# Altium PCB miniBackplane.PcbDoc (part 8 of 24)
Units mil, origin at the board's own origin, x right, y up, seen from the top; angles counter-clockwise.
Board outline 17285.63 x 8582.68 mil, 6 copper layers (Top Layer, Mid-Layer 1, GND, PWR, Mid-Layer 2, Bottom Layer), stack 62.362 mil thick; 519 components, 474 nets, 2434 pads, 1493 vias.
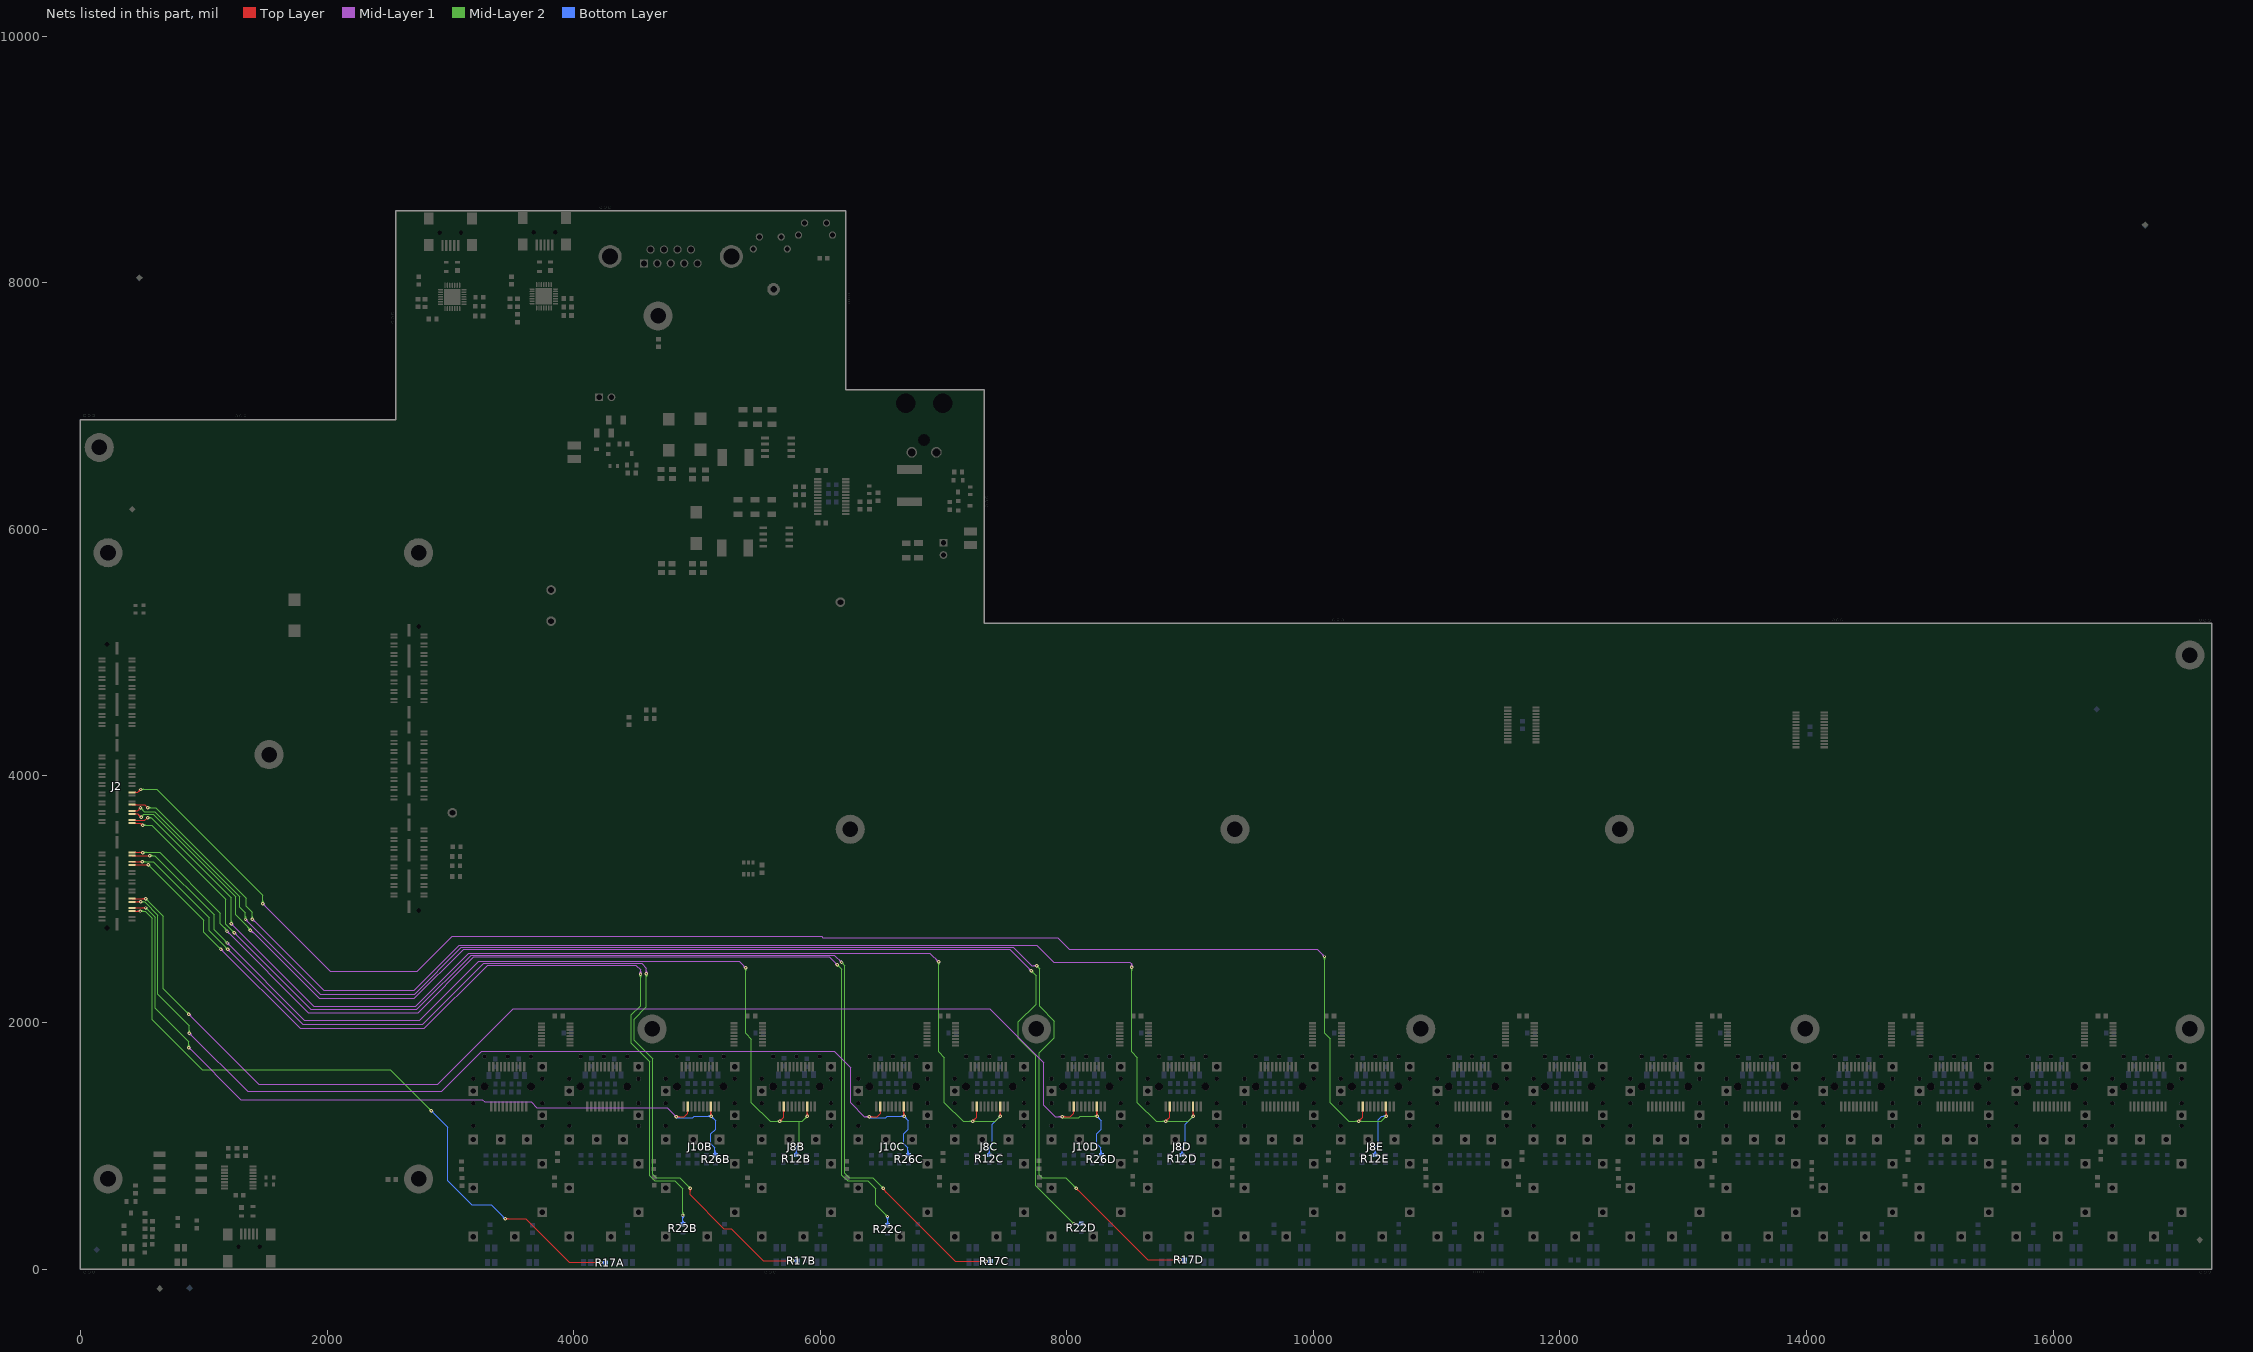
[diagram p12: the nets of this part, all layers, seen from the top]

## Via types
v1: diameter 27.56, hole 11.81, Top Layer to Bottom Layer, tented both sides, 1347 vias
v2: diameter 23.62, hole 11.81, Top Layer to Bottom Layer, tented both sides, 146 vias

## Nets (pads, with @x,y where several pads share a name; then routed paths per layer and width w, separated by ;. In a path a pad name is that pad's centre, name@x,y a point inside that pad or via, vN(x,y) a via of type N, cw(c..) or ccw(c..) an arc to the next point about the centre after c; other vN are vias at no path point) (continued)
FPGA_GPIO19: J2.48 J8E.2 J8E.8 R12E.1 | length 14057.8
  Top Layer w7.87: J2.48@417.94,3866.29 465.29,3866.29 v1(489,3890) v1@491,3890 ; 473.52,3876.01 ccw(c468.66,3894.17) v1@487.07,3890.39 ; 475.01,3874.52 cw(c493.17,3869.66) v1@489.39,3888.07 ; v1@10366.79,1201.61 ccw(c10363.02,1220.02) 10381.17,1215.15 ; v1(10367.18,1199.68) 10400.16,1232.65 J8E.2@10400.16,1320.05 ; v1@10369.11,1199.28 cw(c10387.52,1195.51) 10382.66,1213.67 ; v1(10591.13,1238.62) J8E.8@10591.13,1318.06 ; 448.12,3866.29 ccw(c448.12,3856.79) 441.39,3863.51 cw(c448.12,3856.79) 448.12,3866.29 ; 448.12,3866.29 cw(c448.12,3875.8) 441.39,3869.08 ccw(c448.12,3875.8) 448.12,3866.29 ; 472.2,3873.2 ccw(c455.4,3890) 479.16,3890 cw(c455.4,3890) 472.2,3873.2 ; 472.2,3873.2 cw(c489,3856.4) 489,3880.16 ccw(c489,3856.4) 472.2,3873.2 ; 10383.98,1216.48 ccw(c10400.79,1199.68) 10377.02,1199.68 cw(c10400.79,1199.68) 10383.98,1216.48 ; 10383.98,1216.48 cw(c10367.18,1233.28) 10367.18,1209.52 ccw(c10367.18,1233.28) 10383.98,1216.48 ; 10400.16,1274.6 ccw(c10385.9,1274.6) 10395.98,1284.68 cw(c10385.9,1274.6) 10400.16,1274.6 ; 10400.16,1274.6 cw(c10414.41,1274.6) 10404.33,1284.68 ccw(c10414.41,1274.6) 10400.16,1274.6 ; 10591.13,1262.38 ccw(c10614.89,1262.38) 10598.09,1245.58 cw(c10614.89,1262.38) 10591.13,1262.38 ; 10591.13,1262.38 cw(c10567.36,1262.38) 10584.17,1245.58 ccw(c10567.36,1262.38) 10591.13,1262.38 ; J8E.8@10584.96,1284.68 cw(c10570.07,1269.79) 10591.13,1269.79 ccw(c10570.07,1269.79) J8E.8@10584.96,1284.68
  Mid-Layer 1 w7.09: v1(1478.84,2964.07) 2027.56,2415.35 2733.27,2415.35 3015.75,2697.83 6013.76,2697.83 6022.62,2688.98 6140.03,2688.98 7926.18,2688.98 8021.65,2593.5 10032.48,2593.5 v1(10090.55,2535.43) ; 1496.31,2946.6 ccw(c1478.84,2929.13) 1478.84,2953.84 cw(c1478.84,2929.13) 1496.31,2946.6 ; 1496.31,2946.6 cw(c1513.79,2964.07) 1489.07,2964.07 ccw(c1513.79,2964.07) 1496.31,2946.6 ; 10073.08,2552.91 ccw(c10090.55,2570.38) 10090.55,2545.67 cw(c10090.55,2570.38) 10073.08,2552.91 ; 10073.08,2552.91 cw(c10055.6,2535.43) 10080.31,2535.43 ccw(c10055.6,2535.43) 10073.08,2552.91
  Mid-Layer 2 w7.09: v1(489,3890) 621,3890 1478.84,3032.16 v1(1478.84,2964.07) ; v1@10090.71,2535.43 10090.71,1913.23 10137.18,1866.76 10137.18,1350.56 10289.12,1198.62 10551.13,1198.62 v1(10591.13,1238.62) ; 513.71,3890 ccw(c513.71,3865.29) 496.24,3882.76 cw(c513.71,3865.29) 513.71,3890 ; 513.71,3890 cw(c513.71,3914.71) 496.24,3897.24 ccw(c513.71,3914.71) 513.71,3890 ; 1478.84,2988.79 ccw(c1503.55,2988.79) 1486.08,2971.31 cw(c1503.55,2988.79) 1478.84,2988.79 ; 1478.84,2988.79 cw(c1454.13,2988.79) 1471.6,2971.31 ccw(c1454.13,2988.79) 1478.84,2988.79 ; 10573.65,1221.15 ccw(c10556.18,1238.62) 10580.89,1238.62 cw(c10556.18,1238.62) 10573.65,1221.15 ; 10573.65,1221.15 cw(c10591.13,1203.67) 10591.13,1228.39 ccw(c10591.13,1203.67) 10573.65,1221.15 ; v1@10083.31,2528.2 cw(c10065.46,2510.34) 10090.71,2510.34 ccw(c10065.46,2510.34) v1@10083.31,2528.2 ; 10090.71,2511.1 cw(c10114.88,2511.1) 10097.79,2528.2 ccw(c10114.88,2511.1) 10090.71,2511.1 ; 10339.92,1198.62 ccw(c10339.92,1226.94) 10359.94,1206.92 cw(c10339.92,1226.94) 10339.92,1198.62 ; 10345.02,1198.62 cw(c10345.02,1177.51) 10359.94,1192.44 ccw(c10345.02,1177.51) 10345.02,1198.62 ; v1@10374.42,1192.44 cw(c10389.35,1177.51) 10389.35,1198.62 ccw(c10389.35,1177.51) v1@10374.42,1192.44 ; v1@10374.42,1206.92 ccw(c10394.44,1226.94) 10394.44,1198.62 cw(c10394.44,1226.94) v1@10374.42,1206.92
  Bottom Layer w7.87: R12E.1@10501.13,925.12 10501.13,988.62 10526.13,1013.62 10526.13,1210.13 10554.62,1238.62 v1(10591.13,1238.62) ; 10501.13,958.38 ccw(c10534.39,958.38) 10510.87,934.86 cw(c10534.39,958.38) 10501.13,958.38 ; 10501.13,958.38 cw(c10467.86,958.38) 10491.38,934.86 ccw(c10467.86,958.38) 10501.13,958.38 ; 10567.36,1238.62 ccw(c10567.36,1262.38) 10584.17,1245.58 cw(c10567.36,1262.38) 10567.36,1238.62 ; 10567.36,1238.62 cw(c10567.36,1214.86) 10584.17,1231.66 ccw(c10567.36,1214.86) 10567.36,1238.62
FPGA_GPIO20: J2.38 R22D.1 | length 11596.4
  Top Layer w7.87: J2.38@417.94,3691.29 463.71,3691.29 492,3663 v1(492,3666) v1@493,3667 ; 474.38,3680.57 cw(c468.52,3658.73) v1@490.12,3665.42 ; 448.12,3691.29 ccw(c448.12,3681.79) 441.39,3688.51 cw(c448.12,3681.79) 448.12,3691.29 ; 448.12,3691.29 cw(c448.12,3700.8) 441.39,3694.08 ccw(c448.12,3700.8) 448.12,3691.29 ; 470.08,3684.92 ccw(c492,3706.85) 492,3675.84 cw(c492,3706.85) 470.08,3684.92 ; 477.32,3677.68 cw(c465.64,3666) 482.16,3666 ccw(c465.64,3666) 477.32,3677.68
  Mid-Layer 1 w7.09: v1@1372.39,2745.43 ccw(c1390.75,2753.69) 1385.54,2734.25 ; v1@1375.98,2754.92 1935.04,2195.87 2708.66,2195.87 3107.28,2594.49 6048.71,2594.49 6100.89,2594.49 7536.22,2594.49 v1(7712.6,2418.11) ; v1@1378.86,2748.34 ccw(c1408.32,2761.6) 1399.96,2730.39 ; 7695.12,2435.58 ccw(c7712.6,2453.06) 7712.6,2428.35 cw(c7712.6,2453.06) 7695.12,2435.58 ; 7695.12,2435.58 cw(c7677.65,2418.11) 7702.36,2418.11 ccw(c7677.65,2418.11) 7695.12,2435.58 ; v1@1375.98,2736.81 cw(c1375.98,2693.09) 1406.9,2724.01 ccw(c1375.98,2693.09) v1@1375.98,2736.81 ; v1@1375.98,2743.9 cw(c1375.98,2717.28) 1394.8,2736.1 ccw(c1375.98,2717.28) v1@1375.98,2743.9
  Mid-Layer 2 w7.09: v1(492,3666) 513.59,3687.59 591.41,3687.59 1260,3019 1260,2872 1375.98,2756.02 v1(1375.98,2747.05) ; 1359.09,2771.88 ccw(c1392.14,2780.73) v1@1377.35,2749.89 ; 1363.08,2756.99 ccw(c1383.36,2762.42) v1@1374.28,2743.5 ; v1@1367.12,2752.17 ccw(c1354.71,2759.33) 1368.55,2763.04 ; v1(7712.6,2418.11) 7750.71,2380 7750.71,2148.35 7606.3,2003.94 7606.3,1870.08 7747.18,1729.2 7747.18,677.57 v1(8058.61,366.14) ; 509.47,3683.47 ccw(c526.95,3666) 502.24,3666 cw(c526.95,3666) 509.47,3683.47 ; 509.47,3683.47 cw(c492,3700.95) 492,3676.24 ccw(c492,3700.95) 509.47,3683.47 ; 7730.07,2400.64 ccw(c7712.6,2383.16) 7712.6,2407.87 cw(c7712.6,2383.16) 7730.07,2400.64 ; 7730.07,2400.64 cw(c7747.55,2418.11) 7722.83,2418.11 ccw(c7747.55,2418.11) 7730.07,2400.64 ; 8041.13,383.62 ccw(c8058.61,401.09) 8058.61,376.38 cw(c8058.61,401.09) 8041.13,383.62 ; 8041.13,383.62 cw(c8023.66,366.14) 8048.37,366.14 ccw(c8023.66,366.14) 8041.13,383.62 ; 1352.17,2779.83 cw(c1319.38,2747.05) 1365.75,2747.05 ccw(c1319.38,2747.05) 1352.17,2779.83 ; 1364.27,2767.73 cw(c1343.58,2747.05) 1372.83,2747.05 ccw(c1343.58,2747.05) 1364.27,2767.73
  Bottom Layer w7.87: v1(8058.61,366.14) R22D.1@8118.11,366.14 ; 8082.37,366.14 ccw(c8082.37,342.38) 8065.57,359.18 cw(c8082.37,342.38) 8082.37,366.14 ; 8082.37,366.14 cw(c8082.37,389.9) 8065.57,373.1 ccw(c8082.37,389.9) 8082.37,366.14 ; 8082.88,366.14 ccw(c8082.88,399.41) 8106.4,375.89 cw(c8082.88,399.41) 8082.88,366.14 ; 8082.88,366.14 cw(c8082.88,332.88) 8106.4,356.4 ccw(c8082.88,332.88) 8082.88,366.14
FPGA_GPIO21: J2.12 J10D.2 J10D.8 R26D.1 | length 11346.8
  Top Layer w7.87: J2.12@417.94,3003.79 418.53,3004.38 530.2,3004.38 v1(530.79,3003.79) ; v1(7962.18,1235.56) 8027.18,1235.56 8055.16,1263.54 J10D.2@8055.16,1320.05 ; v1@8244.13,1240.61 J10D.8@8244.13,1320.05 ; 7985.94,1235.56 ccw(c7985.94,1211.8) 7969.14,1228.6 cw(c7985.94,1211.8) 7985.94,1235.56 ; 7985.94,1235.56 cw(c7985.94,1259.32) 7969.14,1242.52 ccw(c7985.94,1259.32) 7985.94,1235.56 ; 8055.16,1274.6 ccw(c8040.9,1274.6) 8050.98,1284.68 cw(c8040.9,1274.6) 8055.16,1274.6 ; 8055.16,1274.6 cw(c8069.41,1274.6) 8059.33,1284.68 ccw(c8069.41,1274.6) 8055.16,1274.6 ; 8244.13,1274.6 ccw(c8229.88,1274.6) 8239.96,1284.68 cw(c8229.88,1274.6) 8244.13,1274.6 ; 8244.13,1274.6 cw(c8258.39,1274.6) 8248.31,1284.68 ccw(c8258.39,1274.6) 8244.13,1274.6 ; J2.12@441.39,3001.01 cw(c449.54,2992.86) 449.54,3004.38 ccw(c449.54,2992.86) J2.12@441.39,3001.01 ; J2.12@441.39,3006.58 ccw(c446.69,3011.87) 446.69,3004.38 cw(c446.69,3011.87) J2.12@441.39,3006.58 ; 505.6,3004.38 cw(c505.6,2978.6) 523.83,2996.83 ccw(c505.6,2978.6) 505.6,3004.38 ; 508.46,3004.38 ccw(c508.46,3026.13) 523.83,3010.75 cw(c508.46,3026.13) 508.46,3004.38 ; v1@8239.17,1245.58 ccw(c8227.17,1257.57) 8244.13,1257.57 cw(c8227.17,1257.57) v1@8239.17,1245.58 ; 8244.13,1267.19 ccw(c8274.7,1267.19) 8253.09,1245.58 cw(c8274.7,1267.19) 8244.13,1267.19
  Mid-Layer 1 w7.09: v1(879.92,2066.93) 1447.83,1499.02 2897.64,1499.02 3508.86,2110.24 7374.02,2110.24 7812.18,1672.07 7812.18,1330.56 7906.43,1236.31 v1@7961.43,1236.31 ; 897.4,2049.45 ccw(c879.92,2031.98) 879.92,2056.69 cw(c879.92,2031.98) 897.4,2049.45 ; 897.4,2049.45 cw(c914.87,2066.93) 890.16,2066.93 ccw(c914.87,2066.93) 897.4,2049.45 ; 7935.66,1236.31 cw(c7935.66,1209.04) 7954.94,1228.32 ccw(c7935.66,1209.04) 7935.66,1236.31 ; 7939.27,1236.31 ccw(c7939.27,1258.47) 7954.94,1242.8 cw(c7939.27,1258.47) 7939.27,1236.31
  Mid-Layer 2 w7.09: v1(530.79,3003.79) 672,2862.58 672,2274.85 v1(879.92,2066.93) ; v1@7962.18,1228.53 8098.07,1228.53 8108.16,1238.62 v1(8246.13,1238.62) ; v1@7964.74,1233.73 cw(c7973.92,1227.18) 7979.56,1236.94 ; v1@7970.19,1229.18 cw(c7974.38,1225.84) 7977.06,1230.48 cw(c7982,1239.05) v1@7972.26,1237.33 ; v1@7970.51,1229.61 cw(c7980.3,1222.63) 7986.32,1233.04 ; 548.27,2986.32 ccw(c530.79,2968.84) 530.79,2993.56 cw(c530.79,2968.84) 548.27,2986.32 ; 548.27,2986.32 cw(c565.74,3003.79) 541.03,3003.79 ccw(c565.74,3003.79) 548.27,2986.32 ; 862.45,2084.4 ccw(c879.92,2101.88) 879.92,2077.17 cw(c879.92,2101.88) 862.45,2084.4 ; 862.45,2084.4 cw(c844.97,2066.93) 869.69,2066.93 ccw(c844.97,2066.93) 862.45,2084.4 ; 8221.41,1238.62 ccw(c8221.41,1263.33) 8238.89,1245.86 cw(c8221.41,1263.33) 8221.41,1238.62 ; 8221.41,1238.62 cw(c8221.41,1213.91) 8238.89,1231.38 ccw(c8221.41,1213.91) 8221.41,1238.62 ; v1@7964.41,1237.79 ccw(c7986.76,1260.14) 7986.76,1228.53 cw(c7986.76,1260.14) v1@7964.41,1237.79 ; v1@7969.42,1242.8 ccw(c8003.87,1277.25) 8003.87,1228.53 cw(c8003.87,1277.25) v1@7969.42,1242.8
  Bottom Layer w7.87: v1(8246.13,1238.62) 8281.13,1203.62 8281.13,1133.62 8244.13,1096.63 8244.13,1014.93 8276.13,982.94 8276.13,928.21 R26D.1@8281.81,922.53 ; 8262.93,1221.82 ccw(c8246.13,1205.02) 8246.13,1228.78 cw(c8246.13,1205.02) 8262.93,1221.82 ; 8262.93,1221.82 cw(c8279.73,1238.62) 8255.97,1238.62 ccw(c8279.73,1238.62) 8262.93,1221.82 ; R26D.1@8270.1,932.27 ccw(c8255.55,946.82) 8276.13,946.82 cw(c8255.55,946.82) R26D.1@8270.1,932.27 ; 8276.13,945.76 ccw(c8303.07,945.76) 8284.02,926.7 cw(c8303.07,945.76) 8276.13,945.76 ; 8276.13,964.77 ccw(c8322.08,964.77) 8289.59,932.27 cw(c8322.08,964.77) 8276.13,964.77
FPGA_GPIO22: J2.40 R17D.1 | length 12805
  Top Layer w7.87: J2.40@417.94,3716.29 466.29,3716.29 487,3737 v1(487,3742) v1@489,3744 ; 472.05,3722.94 cw(c496.58,3716.37) v1@487.69,3740.16 ; v1@8075.73,652.58 cw(c8071.96,634.16) 8090.12,639.03 ; v1(8076.13,654.5) 8655.82,74.81 v1(8921.67,74.81) ; v1@8078.05,654.9 ccw(c8096.47,658.67) 8091.6,640.51 ; 448.12,3716.29 ccw(c448.12,3706.79) 441.39,3713.51 cw(c448.12,3706.79) 448.12,3716.29 ; 448.12,3716.29 cw(c448.12,3725.8) 441.39,3719.08 ccw(c448.12,3725.8) 448.12,3716.29 ; 8092.93,637.7 ccw(c8076.13,620.9) 8076.13,644.66 cw(c8076.13,620.9) 8092.93,637.7 ; 8092.93,637.7 cw(c8109.73,654.5) 8085.97,654.5 ccw(c8109.73,654.5) 8092.93,637.7 ; 8897.91,74.81 ccw(c8897.91,98.57) 8914.71,81.77 cw(c8897.91,98.57) 8897.91,74.81 ; 8897.91,74.81 cw(c8897.91,51.05) 8914.71,67.85 ccw(c8897.91,51.05) 8897.91,74.81 ; 466.66,3716.66 ccw(c441.32,3742) 477.16,3742 cw(c441.32,3742) 466.66,3716.66 ; 478.73,3728.73 cw(c487,3720.47) 487,3732.16 ccw(c487,3720.47) 478.73,3728.73
  Mid-Layer 1 w7.09: v1(1338.58,2835.63) 1943.9,2230.32 2710.63,2230.32 3090.55,2610.24 6042.19,2610.24 6107.42,2610.24 7566.93,2610.24 7717.17,2460 v1@7753.3,2460 ; 1356.06,2818.16 ccw(c1338.58,2800.68) 1338.58,2825.39 cw(c1338.58,2800.68) 1356.06,2818.16 ; 1356.06,2818.16 cw(c1373.53,2835.63) 1348.82,2835.63 ccw(c1373.53,2835.63) 1356.06,2818.16 ; 7731,2460 ccw(c7731,2484.71) 7748.47,2467.24 cw(c7731,2484.71) 7731,2460 ; 7731,2460 cw(c7731,2435.29) 7748.47,2452.76 ccw(c7731,2435.29) 7731,2460
  Mid-Layer 2 w7.09: v1(487,3742) 518,3711 601,3711 1294,3018 1294,2933 1338.58,2888.42 v1(1338.58,2835.63) ; v1(7755.71,2460) 7779.53,2436.18 7779.53,2129.92 7897.64,2011.81 7897.64,1877.95 7776,1756.31 7776,766.74 7800.93,741.81 7990.93,741.81 v1@8077.18,655.56 ; 8063.88,662 ccw(c8079.35,666.14) v1@8075.07,650.71 ; 504.47,3724.53 ccw(c487,3707.05) 487,3731.76 cw(c487,3707.05) 504.47,3724.53 ; 504.47,3724.53 cw(c521.95,3742) 497.24,3742 ccw(c521.95,3742) 504.47,3724.53 ; 1338.58,2860.34 ccw(c1363.3,2860.34) 1345.82,2842.87 cw(c1363.3,2860.34) 1338.58,2860.34 ; 1338.58,2860.34 cw(c1313.87,2860.34) 1331.34,2842.87 ccw(c1313.87,2860.34) 1338.58,2860.34 ; 7773.18,2442.53 ccw(c7755.71,2425.05) 7755.71,2449.76 cw(c7755.71,2425.05) 7773.18,2442.53 ; 7773.18,2442.53 cw(c7790.66,2460) 7765.94,2460 ccw(c7790.66,2460) 7773.18,2442.53 ; 8057.16,675.58 cw(c8036.08,654.5) 8065.89,654.5 ccw(c8036.08,654.5) 8057.16,675.58 ; 8062.25,670.49 ccw(c8076.13,684.36) 8076.13,664.74 cw(c8076.13,684.36) 8062.25,670.49
  Bottom Layer w7.87: v1(8921.67,74.81) R17D.1@8964.98,74.81 ; v1@8926.59,66.29 cw(c8936.79,48.62) R17D.1@8942.07,68.33 ; v1@8926.59,83.33 ccw(c8936.79,101.01) R17D.1@8942.07,81.3 ; v1@8930.68,70.85 cw(c8948.14,63.18) R17D.1@8943.2,81.6 ; v1@8930.68,78.77 ccw(c8948.14,86.44) R17D.1@8943.2,68.02 ; R17D.1@8944.28,71.72 ccw(c8933.56,67.49) 8933.56,79.02 ccw(c8933.56,95.01) R17D.1@8946.21,85.22 ; R17D.1@8944.28,77.9 cw(c8933.56,82.13) 8933.56,70.61 cw(c8933.56,54.61) R17D.1@8946.21,64.41 ; v1@8923.84,74.81 ccw(c8923.84,108.08) 8947.36,84.55 cw(c8923.84,108.08) v1@8923.84,74.81 ; v1@8923.84,74.81 cw(c8923.84,41.54) 8947.36,65.07 ccw(c8923.84,41.54) v1@8923.84,74.81 ; v1@8928.52,67.75 cw(c8936.55,59.47) R17D.1@8939.53,70.61 ; v1@8928.52,67.75 cw(c8936.55,59.47) R17D.1@8939.53,70.61 ; v1@8928.52,67.75 cw(c8936.55,59.47) R17D.1@8939.53,70.61 ; v1@8928.52,81.88 ccw(c8936.55,90.15) R17D.1@8939.53,79.02 ; v1@8928.52,81.88 ccw(c8936.55,90.15) R17D.1@8939.53,79.02 ; v1@8928.52,81.88 ccw(c8936.55,90.15) R17D.1@8939.53,79.02 ; v1@8930.84,71.23 cw(c8942.87,66.54) R17D.1@8939.53,79.02 ; v1@8930.84,71.23 cw(c8942.87,66.54) R17D.1@8939.53,79.02 ; v1@8930.84,71.23 cw(c8942.87,66.54) R17D.1@8939.53,79.02 ; v1@8930.84,78.39 ccw(c8942.87,83.08) R17D.1@8939.53,70.61 ; v1@8930.84,78.39 ccw(c8942.87,83.08) R17D.1@8939.53,70.61 ; v1@8930.84,78.39 ccw(c8942.87,83.08) R17D.1@8939.53,70.61 ; R17D.1@8945.43,74.81 ccw(c8945.43,51.05) 8928.63,67.85 cw(c8945.43,51.05) R17D.1@8945.43,74.81 ; R17D.1@8945.43,74.81 cw(c8945.43,98.57) 8928.63,81.77 ccw(c8945.43,98.57) R17D.1@8945.43,74.81
FPGA_GPIO23: J2.42 J8D.2 J8D.8 R12D.1 | length 12414.5
  Top Layer w7.87: J2.42@417.94,3766.29 419.24,3767.59 521.41,3767.59 v1(546,3743) v1@544,3743 ; v1@8801.79,1201.61 ccw(c8798.02,1220.02) 8816.17,1215.15 ; v1(8802.18,1199.68) 8835.16,1232.65 J8D.2@8835.16,1320.05 ; v1@8804.11,1199.28 cw(c8822.52,1195.51) 8817.66,1213.67 ; v1(9026.13,1238.62) J8D.8@9026.13,1318.06 ; 8818.98,1216.48 ccw(c8835.79,1199.68) 8812.02,1199.68 cw(c8835.79,1199.68) 8818.98,1216.48 ; 8818.98,1216.48 cw(c8802.18,1233.28) 8802.18,1209.52 ccw(c8802.18,1233.28) 8818.98,1216.48 ; 8835.16,1274.6 ccw(c8820.9,1274.6) 8830.98,1284.68 cw(c8820.9,1274.6) 8835.16,1274.6 ; 8835.16,1274.6 cw(c8849.41,1274.6) 8839.33,1284.68 ccw(c8849.41,1274.6) 8835.16,1274.6 ; 9026.13,1262.38 ccw(c9049.89,1262.38) 9033.09,1245.58 cw(c9049.89,1262.38) 9026.13,1262.38 ; 9026.13,1262.38 cw(c9002.36,1262.38) 9019.17,1245.58 ccw(c9002.36,1262.38) 9026.13,1262.38 ; J2.42@441.39,3763.51 cw(c451.25,3753.65) 451.25,3767.59 ccw(c451.25,3753.65) J2.42@441.39,3763.51 ; J8D.8@9019.96,1284.68 cw(c9005.07,1269.79) 9026.13,1269.79 ccw(c9005.07,1269.79) J8D.8@9019.96,1284.68
  Mid-Layer 1 w7.09: v1@1389.02,2836.25 ccw(c1405.85,2842.4) 1401.22,2825.08 ; v1@1392.72,2842.52 1973.43,2261.81 2708.66,2261.81 3072.83,2625.98 6035.67,2625.98 6113.94,2625.98 7755.91,2625.98 7893.7,2488.19 8511.81,2488.19 8525.71,2474.29 ; v1@1395.67,2838.68 ccw(c1421.5,2848.12) 1414.38,2821.56 ; v1@8525.71,2448.82 8525.71,2474.29 ; 8525.71,2474.29 ccw(c8548.35,2474.29) 8534.03,2456.75 cw(c8548.35,2474.29) 8525.71,2474.29 ; v1@1392.72,2827.36 cw(c1392.72,2790.77) 1418.59,2816.64 ccw(c1392.72,2790.77) v1@1392.72,2827.36 ; v1@1392.72,2834.45 cw(c1392.72,2814.96) 1406.49,2828.74 ccw(c1392.72,2814.96) v1@1392.72,2834.45 ; v1@1402.95,2837.6 ccw(c1415.78,2837.6) 1406.71,2828.53 cw(c1415.78,2837.6) v1@1402.95,2837.6 ; v1@8520.32,2456.06 ccw(c8507.31,2469.06) 8525.71,2469.06 cw(c8507.31,2469.06) v1@8520.32,2456.06
  Mid-Layer 2 w7.09: v1(546,3743) 609,3743 1345,3007 1345,2943 1392.72,2895.28 v1(1392.72,2837.6) ; v1@8525.71,2448.82 8525.71,1762.03 8572.18,1715.56 8572.18,1350.56 8724.12,1198.62 8986.13,1198.62 v1(9026.13,1238.62) ; 570.71,3743 ccw(c570.71,3718.29) 553.24,3735.76 cw(c570.71,3718.29) 570.71,3743 ; 570.71,3743 cw(c570.71,3767.71) 553.24,3750.24 ccw(c570.71,3767.71) 570.71,3743 ; 1392.72,2862.31 ccw(c1417.43,2862.31) 1399.95,2844.84 cw(c1417.43,2862.31) 1392.72,2862.31 ; 1392.72,2862.31 cw(c1368,2862.31) 1385.48,2844.84 ccw(c1368,2862.31) 1392.72,2862.31 ; 9008.65,1221.15 ccw(c8991.18,1238.62) 9015.89,1238.62 cw(c8991.18,1238.62) 9008.65,1221.15 ; 9008.65,1221.15 cw(c9026.13,1203.67) 9026.13,1228.39 ccw(c9026.13,1203.67) 9008.65,1221.15 ; v1@8520.32,2441.58 cw(c8507.31,2428.57) 8525.71,2428.57 ccw(c8507.31,2428.57) v1@8520.32,2441.58 ; 8525.71,2419.64 cw(c8556.74,2419.64) 8534.8,2441.58 ccw(c8556.74,2419.64) 8525.71,2419.64 ; 8774.92,1198.62 ccw(c8774.92,1226.94) 8794.94,1206.92 cw(c8774.92,1226.94) 8774.92,1198.62 ; 8780.02,1198.62 cw(c8780.02,1177.51) 8794.94,1192.44 ccw(c8780.02,1177.51) 8780.02,1198.62 ; v1@8809.42,1192.44 cw(c8824.35,1177.51) 8824.35,1198.62 ccw(c8824.35,1177.51) v1@8809.42,1192.44 ; v1@8809.42,1206.92 ccw(c8829.44,1226.94) 8829.44,1198.62 cw(c8829.44,1226.94) v1@8809.42,1206.92
  Bottom Layer w7.87: R12D.1@8936.13,925.12 8936.13,988.62 8961.13,1013.62 8961.13,1173.62 v1@9023.5,1236 ; 8936.13,958.38 ccw(c8969.39,958.38) 8945.87,934.86 cw(c8969.39,958.38) 8936.13,958.38 ; 8936.13,958.38 cw(c8902.86,958.38) 8926.38,934.86 ccw(c8902.86,958.38) 8936.13,958.38 ; 9009.32,1221.82 ccw(c8992.52,1238.62) 9016.28,1238.62 cw(c8992.52,1238.62) 9009.32,1221.82 ; 9009.32,1221.82 cw(c9026.13,1205.02) 9026.13,1228.78 ccw(c9026.13,1205.02) 9009.32,1221.82
  other v1: 8527.56,2448.82
FPGA_GPIO24: J2.32 R22C.1 | length 9741.2
  Top Layer w7.87: J2.32@417.94,3378.79 505.21,3378.79 v1(506,3378) ; 448.12,3378.79 ccw(c448.12,3369.29) 441.39,3376.01 cw(c448.12,3369.29) 448.12,3378.79 ; 448.12,3378.79 cw(c448.12,3388.3) 441.39,3381.58 ccw(c448.12,3388.3) 448.12,3378.79 ; 480.33,3378.79 cw(c480.33,3352.33) 499.04,3371.04 ccw(c480.33,3352.33) 480.33,3378.79 ; 484.15,3378.79 ccw(c484.15,3399.85) 499.04,3384.96 cw(c484.15,3399.85) 484.15,3378.79
  Mid-Layer 1 w7.09: v1(1188.98,2739.17) 1848.43,2079.72 2740.16,2079.72 3191.93,2531.5 6074.8,2531.5 v1(6137.8,2468.5) ; 1206.45,2721.7 ccw(c1188.98,2704.22) 1188.98,2728.94 cw(c1188.98,2704.22) 1206.45,2721.7 ; 1206.45,2721.7 cw(c1223.92,2739.17) 1199.21,2739.17 ccw(c1223.92,2739.17) 1206.45,2721.7 ; 6120.32,2485.98 ccw(c6137.8,2503.45) 6137.8,2478.74 cw(c6137.8,2503.45) 6120.32,2485.98 ; 6120.32,2485.98 cw(c6102.85,2468.5) 6127.56,2468.5 ccw(c6102.85,2468.5) 6120.32,2485.98
  Mid-Layer 2 w7.09: v1(506,3378) 507.38,3379.38 643.62,3379.38 1136,2887 1136,2799 1188.98,2746.02 v1(1188.98,2739.17) ; 1172.53,2762.35 ccw(c1202.08,2770.27) v1@1190.2,2742.08 ; 1176.28,2748.36 ccw(c1194.96,2753.37) v1@1187.45,2735.55 ; v1(6137.8,2468.5) 6176.18,2430.12 6176.18,761.56 6222.18,715.56 6387.18,715.56 6452.18,650.56 6452.18,520.26 v1@6547.24,425.2 ; 6155.27,2451.03 ccw(c6137.8,2433.56) 6137.8,2458.27 cw(c6137.8,2433.56) 6155.27,2451.03 ; 6155.27,2451.03 cw(c6172.74,2468.5) 6148.03,2468.5 ccw(c6172.74,2468.5) 6155.27,2451.03 ; 6528.79,443.66 ccw(c6546.26,461.13) 6546.26,436.42 cw(c6546.26,461.13) 6528.79,443.66 ; 6528.79,443.66 cw(c6511.31,426.18) 6536.02,426.18 ccw(c6511.31,426.18) 6528.79,443.66 ; v1@513.24,3370.76 cw(c534.05,3349.95) 534.05,3379.38 ccw(c534.05,3349.95) v1@513.24,3370.76 ; v1@513.24,3385.24 ccw(c527.38,3399.38) 527.38,3379.38 cw(c527.38,3399.38) v1@513.24,3385.24 ; 1166.66,2768.34 cw(c1137.49,2739.17) 1178.74,2739.17 ccw(c1137.49,2739.17) 1166.66,2768.34 ; 1178.76,2756.24 cw(c1161.68,2739.17) 1185.83,2739.17 ccw(c1161.68,2739.17) 1178.76,2756.24 ; 1183.2,2751.8 ccw(c1188.98,2757.58) 1188.98,2749.41 cw(c1188.98,2757.58) 1183.2,2751.8
  Bottom Layer w7.87: R22C.1@6547.24,354.33 v1@6547.24,425.2 ; 6547.24,387.6 ccw(c6580.51,387.6) 6556.99,364.07 cw(c6580.51,387.6) 6547.24,387.6 ; 6547.24,387.6 cw(c6513.98,387.6) 6537.5,364.07 ccw(c6513.98,387.6) 6547.24,387.6 ; v1@6539.3,419.22 cw(c6520.12,400.04) 6547.24,400.04 ccw(c6520.12,400.04) v1@6539.3,419.22 ; 6547.24,404.8 cw(c6567.65,404.8) 6553.22,419.22 ccw(c6567.65,404.8) 6547.24,404.8